# KiCad board sbc.kicad_pcb
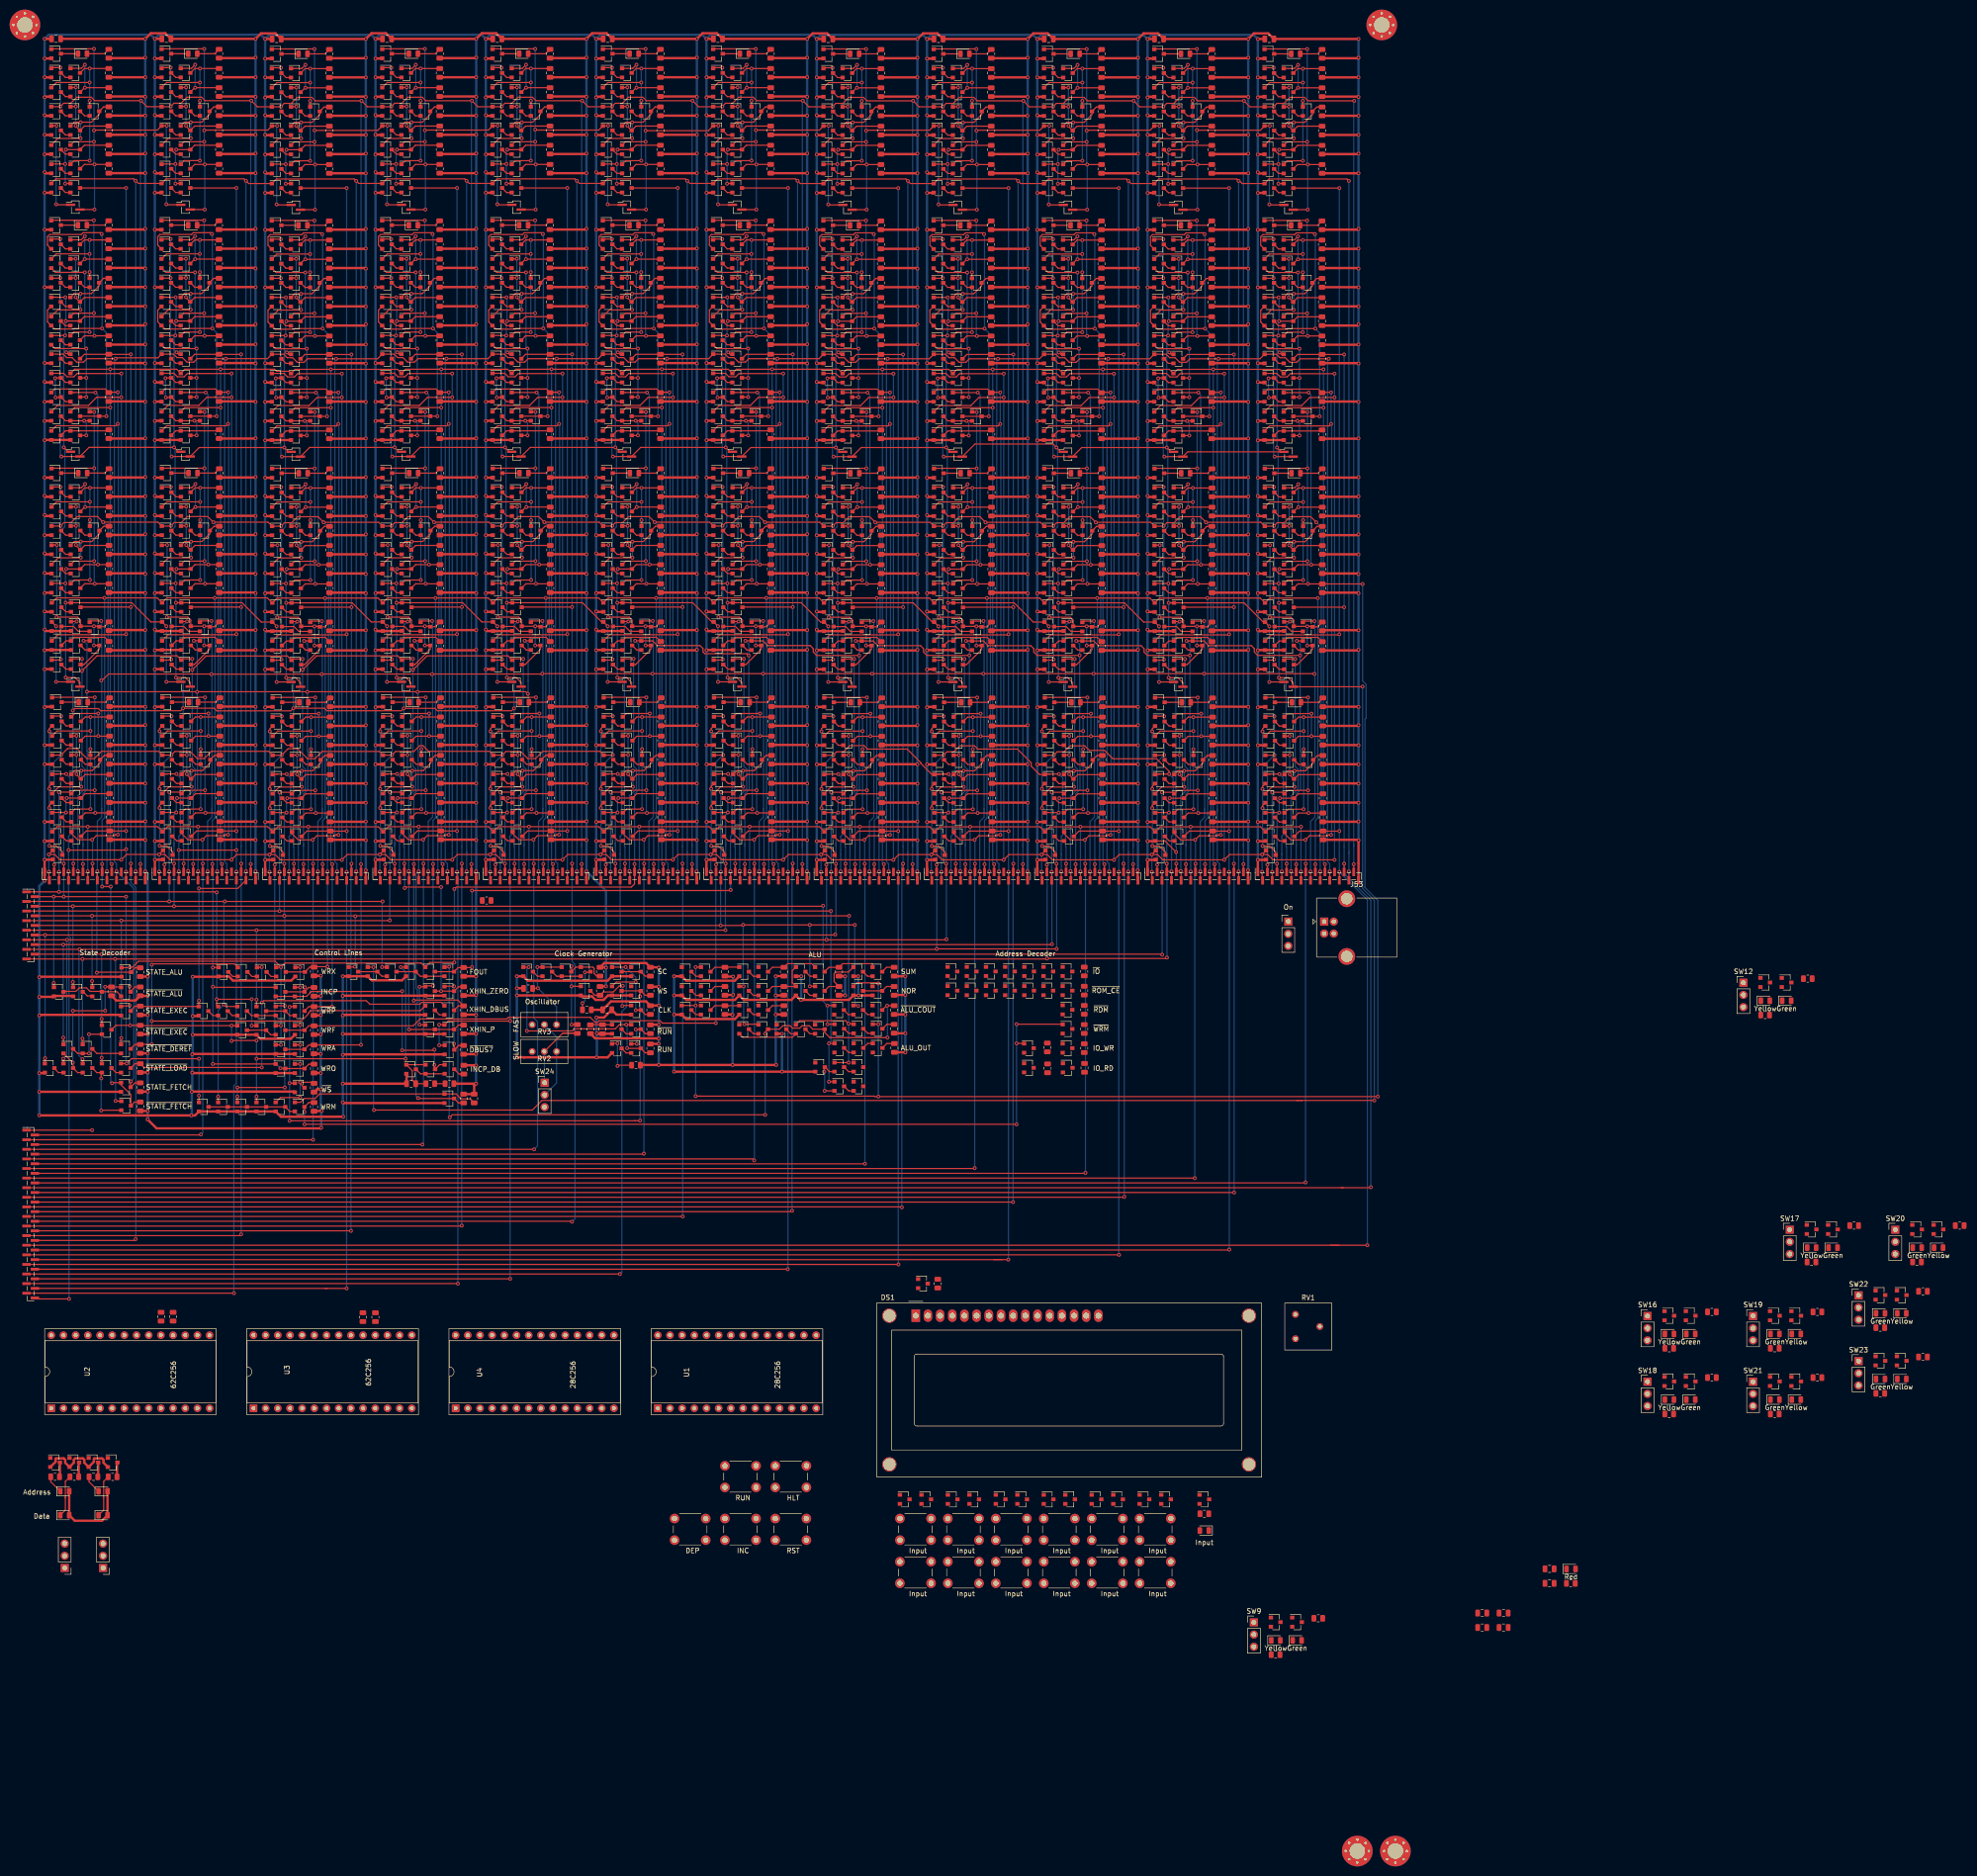
[diagram p0: board, top side]
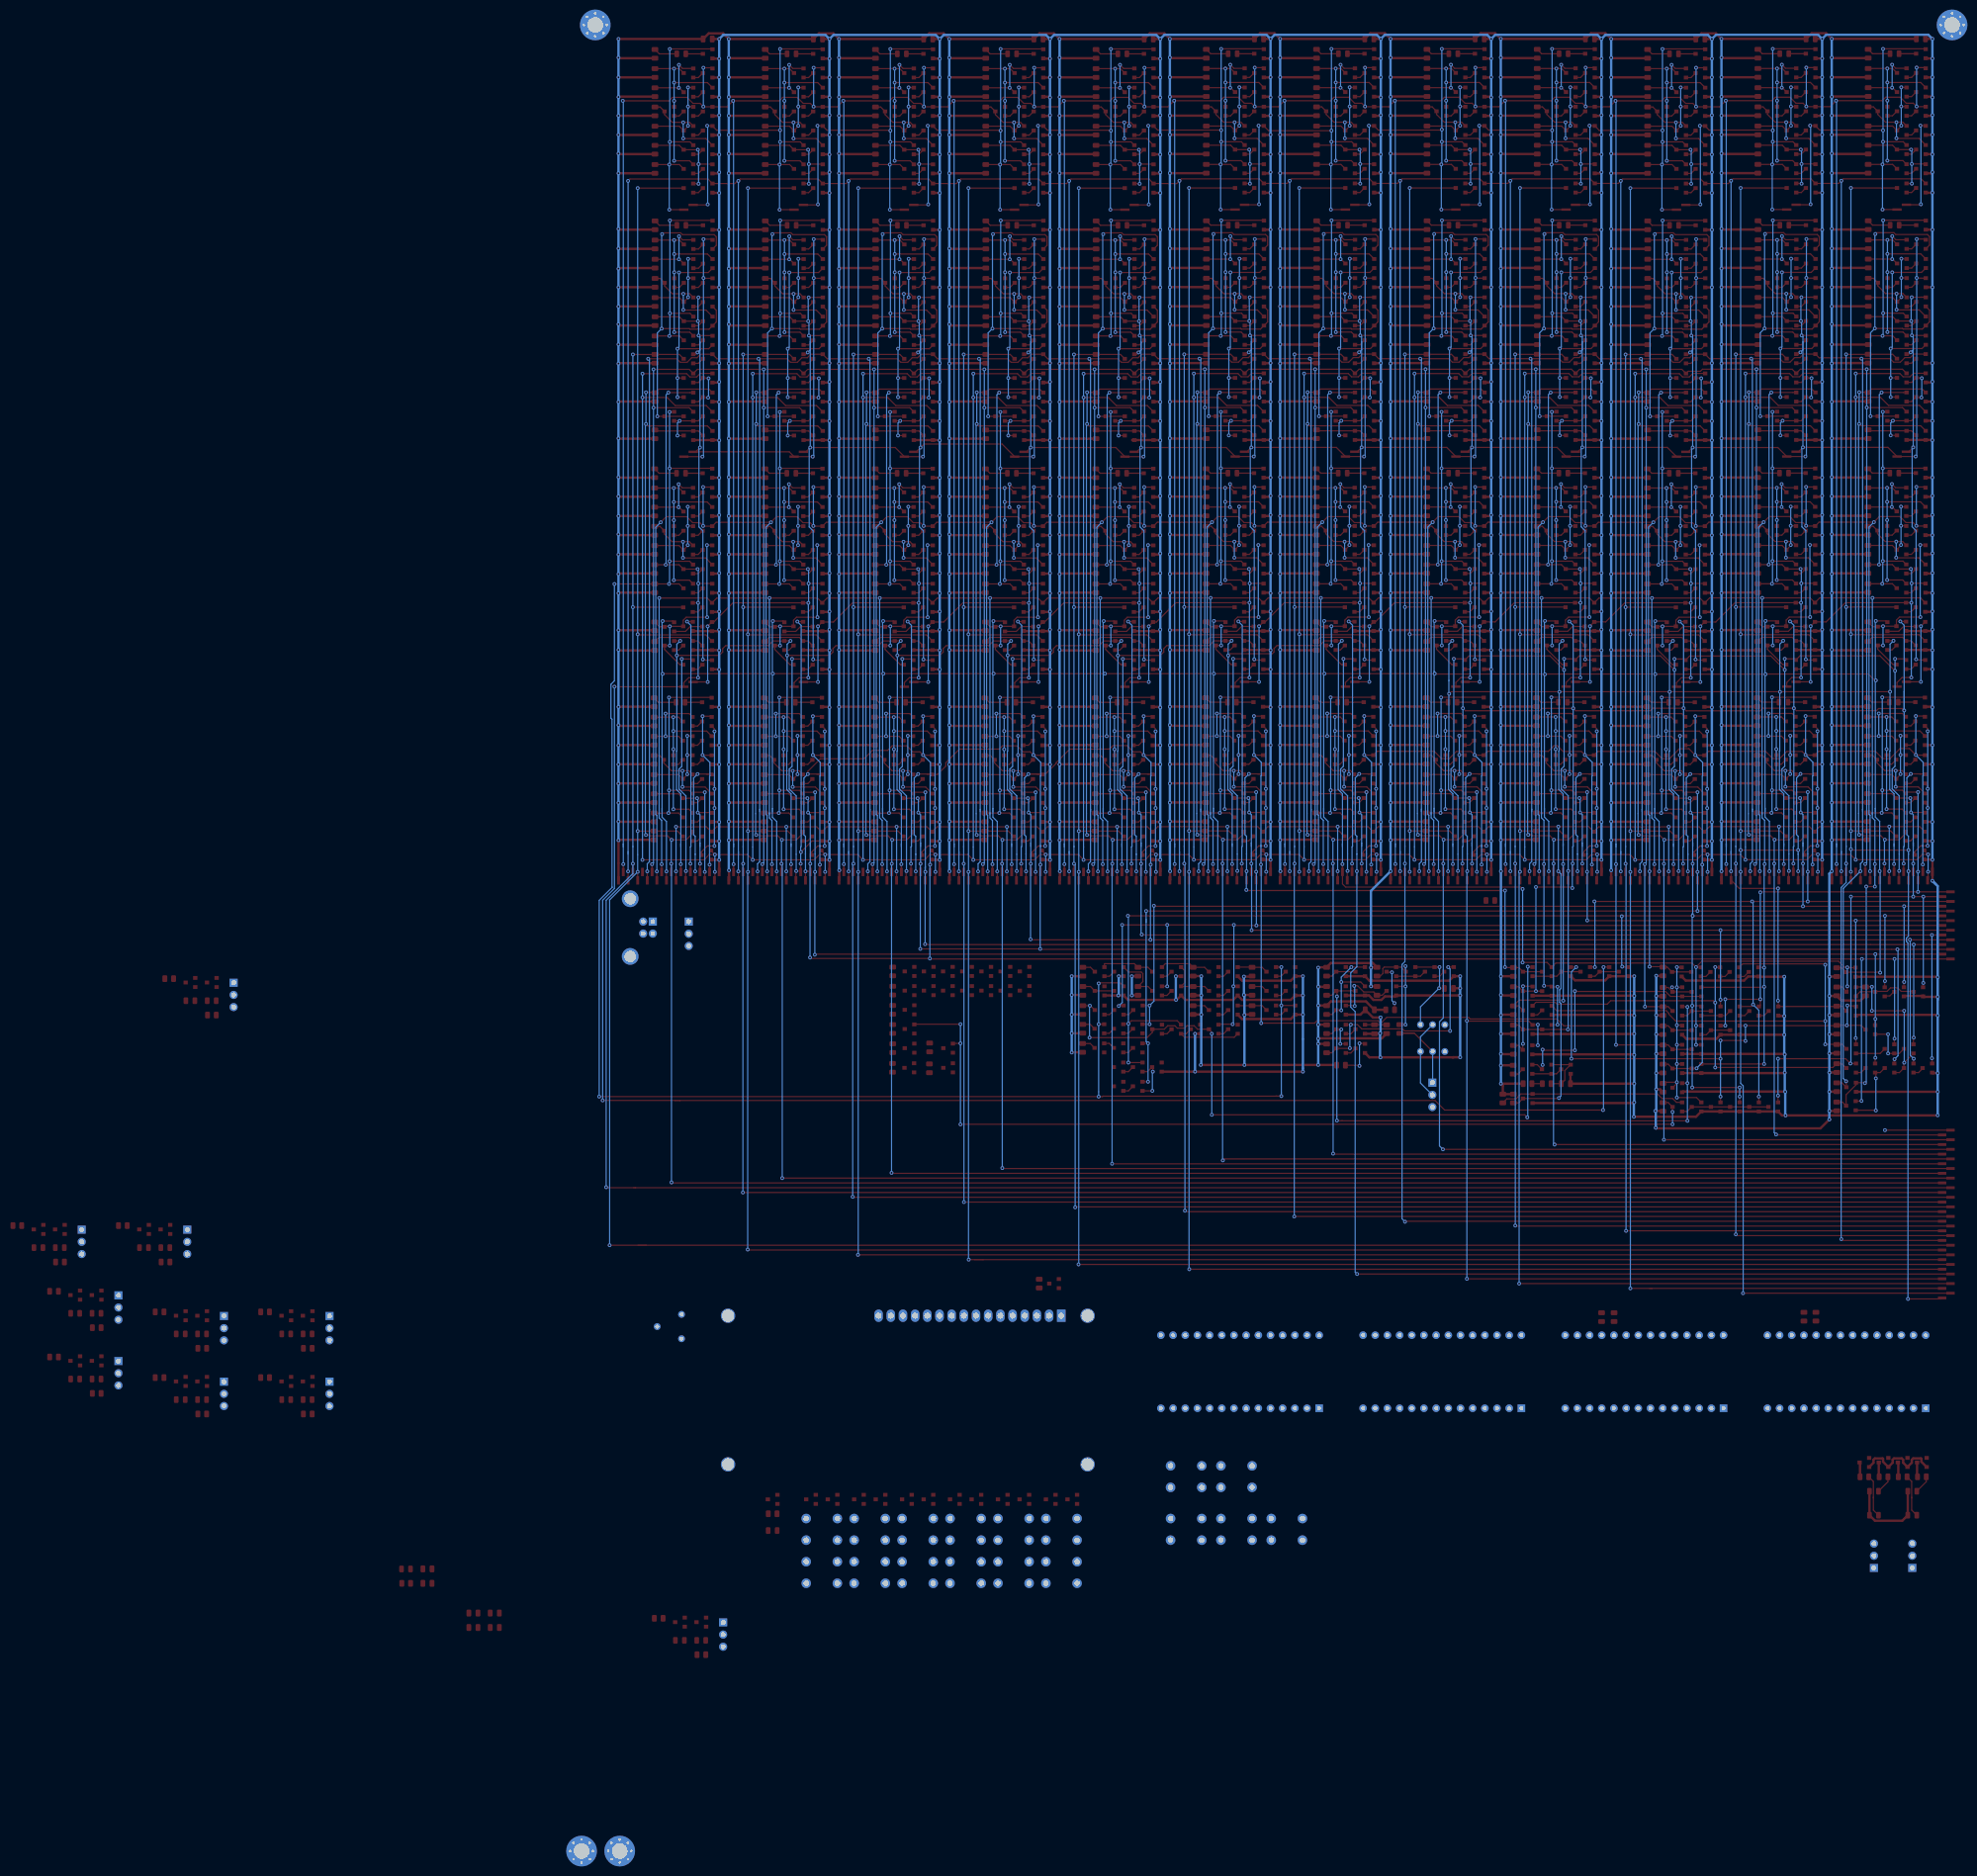
[diagram p1: board, bottom side, seen from below]

No outline. copper layers: Top, Bottom. Coordinates in mm from the lowest, leftmost part position.

## Placement (name value [footprint] x y rotation side)
C1  0.1u  [C_0805_2012Metric]  6.5 377.95 180 top
C2  0.1u  [C_0805_2012Metric]  29.5 377.95 180 top
C3  0.1u  [C_0805_2012Metric]  121.45 175.45 180 top
C4  0.1u  [C_0805_2012Metric]  104.95 179.9 0 top
C5  0.1u  [C_0805_2012Metric]  120.45 171.4 90 top
C6  0.1u  [C_0805_2012Metric]  80.55 160.05 0 top
C7  0.1u  [C_0805_2012Metric]  52.5 377.92 180 top
C8  0.1u  [C_0805_2012Metric]  75.53 377.95 180 top
C9  0.1u  [C_0805_2012Metric]  98.53 377.95 180 top
C10  0.1u  [C_0805_2012Metric]  121.55 377.95 180 top
C11  0.1u  [C_0805_2012Metric]  144.55 377.95 180 top
C12  0.1u  [C_0805_2012Metric]  167.55 377.92 180 top
C13  0.1u  [C_0805_2012Metric]  190.55 377.92 180 top
C14  0.1u  [C_0805_2012Metric]  213.55 377.92 180 top
C15  0.1u  [C_0805_2012Metric]  236.55 377.92 180 top
C16  0.1u  [C_0805_2012Metric]  259.55 377.92 180 top
C17  0.47u  [C_0805_2012Metric]  318 58.85 0 top
C18  0.47u  [C_0805_2012Metric]  318 55.84 0 top
C19  0.1u  [C_0805_2012Metric]  303.96 49.64 0 top
C20  0.1u  [C_0805_2012Metric]  303.96 46.63 0 top
C21  0.1u  [C_0805_2012Metric]  308.41 49.64 0 top
C22  0.1u  [C_0805_2012Metric]  308.41 46.63 0 top
D1  Red  [LED_0805_2012Metric]  12 374.85 0 top
D2  Red  [LED_0805_2012Metric]  12.05 287.39 0 top
D3  Red  [LED_0805_2012Metric]  11.98 339.1 0 top
D4  Red  [LED_0805_2012Metric]  12.16 239.61 0 top
D5  Red  [LED_0805_2012Metric]  35 374.85 0 top
D6  Red  [LED_0805_2012Metric]  35.05 287.39 0 top
D7  Red  [LED_0805_2012Metric]  34.98 339.1 0 top
D8  Red  [LED_0805_2012Metric]  35.16 239.61 0 top
D9  Red  [LED_0805_2012Metric]  58 374.82 0 top
D10  Red  [LED_0805_2012Metric]  58.05 287.36 0 top
D11  Red  [LED_0805_2012Metric]  57.98 339.07 0 top
D12  Red  [LED_0805_2012Metric]  58.16 239.58 0 top
D13  Red  [LED_0805_2012Metric]  81.03 374.85 0 top
D14  Red  [LED_0805_2012Metric]  81.08 287.38 0 top
D15  Red  [LED_0805_2012Metric]  81 339.09 0 top
D16  Red  [LED_0805_2012Metric]  81.19 239.61 0 top
D17  Red  [LED_0805_2012Metric]  104.03 374.85 0 top
D18  Red  [LED_0805_2012Metric]  104.07 287.38 0 top
D19  Red  [LED_0805_2012Metric]  104 339.09 0 top
D20  Red  [LED_0805_2012Metric]  104.19 239.61 0 top
D21  Red  [LED_0805_2012Metric]  127.05 374.85 0 top
D22  Red  [LED_0805_2012Metric]  127.1 287.38 0 top
D23  Red  [LED_0805_2012Metric]  127.03 339.09 0 top
D24  Red  [LED_0805_2012Metric]  127.21 239.61 0 top
D25  Red  [LED_0805_2012Metric]  150.05 374.85 0 top
D26  Red  [LED_0805_2012Metric]  150.1 287.38 0 top
D27  Red  [LED_0805_2012Metric]  150.03 339.09 0 top
D28  Red  [LED_0805_2012Metric]  150.21 239.61 0 top
D29  Red  [LED_0805_2012Metric]  173.05 374.82 0 top
D30  Red  [LED_0805_2012Metric]  173.1 287.36 0 top
D31  Red  [LED_0805_2012Metric]  173.03 339.07 0 top
D32  Red  [LED_0805_2012Metric]  173.21 239.58 0 top
D33  Red  [LED_0805_2012Metric]  196.05 374.82 0 top
D34  Red  [LED_0805_2012Metric]  196.1 287.36 0 top
D35  Red  [LED_0805_2012Metric]  196.03 339.07 0 top
D36  Red  [LED_0805_2012Metric]  196.21 239.58 0 top
D37  Red  [LED_0805_2012Metric]  219.05 374.82 0 top
D38  Red  [LED_0805_2012Metric]  219.1 287.36 0 top
D39  Red  [LED_0805_2012Metric]  219.03 339.07 0 top
D40  Red  [LED_0805_2012Metric]  219.21 239.58 0 top
D41  Red  [LED_0805_2012Metric]  242.05 374.82 0 top
D42  Red  [LED_0805_2012Metric]  242.1 287.36 0 top
D43  Red  [LED_0805_2012Metric]  242.03 339.07 0 top
D44  Red  [LED_0805_2012Metric]  242.21 239.58 0 top
D45  Red  [LED_0805_2012Metric]  265.05 374.82 0 top
D46  Red  [LED_0805_2012Metric]  265.1 287.36 0 top
D47  Red  [LED_0805_2012Metric]  265.03 339.07 0 top
D48  Red  [LED_0805_2012Metric]  265.21 239.58 0 top
D49  Yellow  [LED_0805_2012Metric]  8.3 75.05 0 top
D50  Green  [LED_0805_2012Metric]  8.3 70.05 0 top
D51  Yellow  [LED_0805_2012Metric]  16.29 75.05 0 top
D52  Green  [LED_0805_2012Metric]  16.29 70.05 0 top
D53  Yellow  [LED_0805_2012Metric]  260.9 43.95 0 top
D54  Green  [LED_0805_2012Metric]  265.35 43.95 0 top
D55  Yellow  [LED_0805_2012Metric]  363 177.35 0 top
D56  Green  [LED_0805_2012Metric]  367.45 177.35 0 top
D57  Yellow  [LED_0805_2012Metric]  343 107.85 0 top
D58  Green  [LED_0805_2012Metric]  347.45 107.85 0 top
D59  Yellow  [LED_0805_2012Metric]  372.67 125.85 0 top
D60  Green  [LED_0805_2012Metric]  377.12 125.85 0 top
D61  Yellow  [LED_0805_2012Metric]  343 94.15 0 top
D62  Green  [LED_0805_2012Metric]  347.45 94.15 0 top
D63  Yellow  [LED_0805_2012Metric]  369.46 107.85 0 top
D64  Green  [LED_0805_2012Metric]  365.01 107.85 0 top
D65  Yellow  [LED_0805_2012Metric]  399.13 125.85 0 top
D66  Green  [LED_0805_2012Metric]  394.68 125.85 0 top
D67  Yellow  [LED_0805_2012Metric]  369.46 94.15 0 top
D68  Green  [LED_0805_2012Metric]  365.01 94.15 0 top
D69  Yellow  [LED_0805_2012Metric]  391.47 112.15 0 top
D70  Green  [LED_0805_2012Metric]  387.02 112.15 0 top
D71  Yellow  [LED_0805_2012Metric]  391.47 98.45 0 top
D72  Green  [LED_0805_2012Metric]  387.02 98.45 0 top
D73  Red  [LED_0805_2012Metric]  322.47 58.84 0 top
D74  Red  [LED_0805_2012Metric]  246 66.85 180 top
DS1  -  [WC1602A]  185.8 111.65 0 top
H1  MountingHole_Pad  [MountingHole_3.2mm_M3_Pad_Via]  0 380.85 0 top
H2  MountingHole_Pad  [MountingHole_3.2mm_M3_Pad_Via]  277.9 0 0 top
H3  MountingHole_Pad  [MountingHole_3.2mm_M3_Pad_Via]  283 380.85 0 top
H4  MountingHole_Pad  [MountingHole_3.2mm_M3_Pad_Via]  285.85 0 0 top
J1  Conn_01x22  [PinHeader_1x22_P1.00mm_Vertical_SMD_Pin1Right]  14.6 203.35 90 top
J2  Conn_02x01  [PinSocket_1x02_P1.00mm_Vertical_SMD_Pin1Left]  10.5 342.85 0 top
J3  Conn_02x01  [PinSocket_1x02_P1.00mm_Vertical_SMD_Pin1Left]  10.5 243.35 0 top
J4  Conn_01x22  [PinHeader_1x22_P1.00mm_Vertical_SMD_Pin1Right]  37.6 203.35 90 top
J5  Conn_02x01  [PinSocket_1x02_P1.00mm_Vertical_SMD_Pin1Left]  10.5 291.35 0 top
J6  Conn_02x01  [PinSocket_1x02_P1.00mm_Vertical_SMD_Pin1Left]  33.5 342.85 0 top
J7  Conn_02x01  [PinSocket_1x02_P1.00mm_Vertical_SMD_Pin1Left]  33.5 243.35 0 top
J8  Conn_02x01  [PinSocket_1x02_P1.00mm_Vertical_SMD_Pin1Left]  33.5 291.35 0 top
J9  Conn_01x22  [PinHeader_1x22_P1.00mm_Vertical_SMD_Pin1Right]  60.6 203.32 90 top
J10  Conn_02x01  [PinSocket_1x02_P1.00mm_Vertical_SMD_Pin1Left]  56.5 342.82 0 top
J11  Conn_02x01  [PinSocket_1x02_P1.00mm_Vertical_SMD_Pin1Left]  56.5 243.32 0 top
J12  Conn_02x01  [PinSocket_1x02_P1.00mm_Vertical_SMD_Pin1Left]  56.5 291.32 0 top
J13  Conn_01x22  [PinHeader_1x22_P1.00mm_Vertical_SMD_Pin1Right]  83.62 203.35 90 top
J14  Conn_02x01  [PinSocket_1x02_P1.00mm_Vertical_SMD_Pin1Left]  79.53 342.85 0 top
J15  Conn_02x01  [PinSocket_1x02_P1.00mm_Vertical_SMD_Pin1Left]  79.53 243.35 0 top
J16  Conn_02x01  [PinSocket_1x02_P1.00mm_Vertical_SMD_Pin1Left]  79.53 291.35 0 top
J17  Conn_01x22  [PinHeader_1x22_P1.00mm_Vertical_SMD_Pin1Right]  106.62 203.35 90 top
J18  Conn_02x01  [PinSocket_1x02_P1.00mm_Vertical_SMD_Pin1Left]  102.53 342.85 0 top
J19  Conn_02x01  [PinSocket_1x02_P1.00mm_Vertical_SMD_Pin1Left]  102.53 243.35 0 top
J20  Conn_02x01  [PinSocket_1x02_P1.00mm_Vertical_SMD_Pin1Left]  102.53 291.35 0 top
J21  Conn_01x22  [PinHeader_1x22_P1.00mm_Vertical_SMD_Pin1Right]  129.65 203.35 90 top
J22  Conn_02x01  [PinSocket_1x02_P1.00mm_Vertical_SMD_Pin1Left]  125.55 342.85 0 top
J23  Conn_02x01  [PinSocket_1x02_P1.00mm_Vertical_SMD_Pin1Left]  125.55 243.35 0 top
J24  Conn_02x01  [PinSocket_1x02_P1.00mm_Vertical_SMD_Pin1Left]  125.55 291.35 0 top
J25  Conn_01x22  [PinHeader_1x22_P1.00mm_Vertical_SMD_Pin1Right]  152.65 203.35 90 top
J26  Conn_02x01  [PinSocket_1x02_P1.00mm_Vertical_SMD_Pin1Left]  148.55 342.85 0 top
J27  Conn_02x01  [PinSocket_1x02_P1.00mm_Vertical_SMD_Pin1Left]  148.55 243.35 0 top
J28  Conn_02x01  [PinSocket_1x02_P1.00mm_Vertical_SMD_Pin1Left]  148.55 291.35 0 top
J29  Conn_01x22  [PinHeader_1x22_P1.00mm_Vertical_SMD_Pin1Right]  175.65 203.32 90 top
J30  Conn_02x01  [PinSocket_1x02_P1.00mm_Vertical_SMD_Pin1Left]  171.55 342.82 0 top
J31  Conn_02x01  [PinSocket_1x02_P1.00mm_Vertical_SMD_Pin1Left]  171.55 243.32 0 top
J32  Conn_02x01  [PinSocket_1x02_P1.00mm_Vertical_SMD_Pin1Left]  171.55 291.32 0 top
J33  Conn_01x22  [PinHeader_1x22_P1.00mm_Vertical_SMD_Pin1Right]  198.65 203.32 90 top
J34  Conn_02x01  [PinSocket_1x02_P1.00mm_Vertical_SMD_Pin1Left]  194.55 342.82 0 top
J35  Conn_02x01  [PinSocket_1x02_P1.00mm_Vertical_SMD_Pin1Left]  194.55 243.32 0 top
J36  Conn_02x01  [PinSocket_1x02_P1.00mm_Vertical_SMD_Pin1Left]  194.55 291.32 0 top
J37  Conn_01x22  [PinHeader_1x22_P1.00mm_Vertical_SMD_Pin1Right]  221.65 203.32 90 top
J38  Conn_02x01  [PinSocket_1x02_P1.00mm_Vertical_SMD_Pin1Left]  217.55 342.82 0 top
J39  Conn_02x01  [PinSocket_1x02_P1.00mm_Vertical_SMD_Pin1Left]  217.55 243.32 0 top
J40  Conn_02x01  [PinSocket_1x02_P1.00mm_Vertical_SMD_Pin1Left]  217.55 291.32 0 top
J41  Conn_01x22  [PinHeader_1x22_P1.00mm_Vertical_SMD_Pin1Right]  244.65 203.32 90 top
J42  Conn_02x01  [PinSocket_1x02_P1.00mm_Vertical_SMD_Pin1Left]  240.55 342.82 0 top
J43  Conn_02x01  [PinSocket_1x02_P1.00mm_Vertical_SMD_Pin1Left]  240.55 243.32 0 top
J44  Conn_02x01  [PinSocket_1x02_P1.00mm_Vertical_SMD_Pin1Left]  240.55 291.32 0 top
J45  Conn_01x22  [PinHeader_1x22_P1.00mm_Vertical_SMD_Pin1Right]  267.65 203.32 90 top
J46  Conn_02x01  [PinSocket_1x02_P1.00mm_Vertical_SMD_Pin1Left]  263.55 342.82 0 top
J47  Conn_02x01  [PinSocket_1x02_P1.00mm_Vertical_SMD_Pin1Left]  263.55 243.32 0 top
J48  Conn_02x01  [PinSocket_1x02_P1.00mm_Vertical_SMD_Pin1Left]  263.55 291.32 0 top
J49  Conn_01x15  [PinHeader_1x15_P1.00mm_Vertical_SMD_Pin1Left]  1.2 193.05 0 top
J50  Conn_01x36  [PinHeader_1x36_P1.00mm_Vertical_SMD_Pin1Left]  1.2 132.85 0 top
J53  USB_B  [USB_B_OST_USB-B1HSxx_Horizontal]  271 193.85 0 top
Q1  2N7002  [SOT-23]  6.8 207.75 0 top
Q2  2N7002  [SOT-23]  10.7 211.65 0 top
Q3  2N7002  [SOT-23]  6.7 211.65 0 top
Q4  2N7002  [SOT-23]  6.5 374.85 0 top
Q5  2N7002  [SOT-23]  10.5 346.85 0 top
Q6  2N7002  [SOT-23]  6.5 346.85 0 top
Q7  2N7002  [SOT-23]  10.5 350.85 0 top
Q8  2N7002  [SOT-23]  10.5 366.85 0 top
Q9  2N7002  [SOT-23]  6.5 350.85 0 top
Q10  2N7002  [SOT-23]  6.5 366.85 0 top
Q11  2N7002  [SOT-23]  10.5 354.85 0 top
Q12  2N7002  [SOT-23]  10.5 370.85 0 top
Q13  2N7002  [SOT-23]  6.5 354.85 0 top
Q14  2N7002  [SOT-23]  6.5 370.85 0 top
Q15  2N7002  [SOT-23]  14.5 362.85 0 top
Q16  2N7002  [SOT-23]  10.5 362.85 0 top
Q17  2N7002  [SOT-23]  6.5 362.85 0 top
Q18  2N7002  [SOT-23]  10.5 358.85 0 top
Q19  2N7002  [SOT-23]  6.5 358.85 0 top
Q20  2N7002  [SOT-23]  6.55 287.39 0 top
Q21  2N7002  [SOT-23]  14.5 251.45 0 top
Q22  2N7002  [SOT-23]  10.6 259.4 0 top
Q23  2N7002  [SOT-23]  10.6 247.45 0 top
Q24  2N7002  [SOT-23]  14.5 255.35 0 top
Q25  2N7002  [SOT-23]  10.6 255.45 0 top
Q26  2N7002  [SOT-23]  10.6 251.45 0 top
Q27  2N7002  [SOT-23]  6.6 259.4 0 top
Q28  2N7002  [SOT-23]  6.6 247.45 0 top
Q29  2N7002  [SOT-23]  6.6 255.4 0 top
Q30  2N7002  [SOT-23]  6.6 251.45 0 top
Q31  2N7002  [SOT-23]  10.55 263.39 0 top
Q32  2N7002  [SOT-23]  10.55 279.39 0 top
Q33  2N7002  [SOT-23]  6.55 263.39 0 top
Q34  2N7002  [SOT-23]  6.55 279.39 0 top
Q35  2N7002  [SOT-23]  10.55 267.39 0 top
Q36  2N7002  [SOT-23]  10.55 283.39 0 top
Q37  2N7002  [SOT-23]  6.55 267.39 0 top
Q38  2N7002  [SOT-23]  6.55 283.39 0 top
Q39  2N7002  [SOT-23]  14.55 275.39 0 top
Q40  2N7002  [SOT-23]  10.55 275.39 0 top
Q41  2N7002  [SOT-23]  6.55 275.39 0 top
Q42  2N7002  [SOT-23]  10.55 271.39 0 top
Q43  2N7002  [SOT-23]  6.55 271.39 0 top
Q44  2N7002  [SOT-23]  6.48 339.1 0 top
Q45  2N7002  [SOT-23]  10.5 311.25 0 top
Q46  2N7002  [SOT-23]  6.5 311.25 0 top
Q47  2N7002  [SOT-23]  10.5 307.25 0 top
Q48  2N7002  [SOT-23]  10.5 303.25 0 top
Q49  2N7002  [SOT-23]  10.5 299.25 0 top
Q50  2N7002  [SOT-23]  14.5 299.25 0 top
Q51  2N7002  [SOT-23]  6.5 307.25 0 top
Q52  2N7002  [SOT-23]  6.5 303.25 0 top
Q53  2N7002  [SOT-23]  6.5 299.25 0 top
Q54  2N7002  [SOT-23]  10.5 295.25 0 top
Q55  2N7002  [SOT-23]  6.5 295.25 0 top
Q56  2N7002  [SOT-23]  10.48 315.1 0 top
Q57  2N7002  [SOT-23]  10.48 331.1 0 top
Q58  2N7002  [SOT-23]  6.48 315.1 0 top
Q59  2N7002  [SOT-23]  6.48 331.1 0 top
Q60  2N7002  [SOT-23]  10.48 319.1 0 top
Q61  2N7002  [SOT-23]  10.48 335.1 0 top
Q62  2N7002  [SOT-23]  6.48 319.1 0 top
Q63  2N7002  [SOT-23]  6.48 335.1 0 top
Q64  2N7002  [SOT-23]  14.48 327.1 0 top
Q65  2N7002  [SOT-23]  10.48 327.1 0 top
Q66  2N7002  [SOT-23]  6.48 327.1 0 top
Q67  2N7002  [SOT-23]  10.48 323.1 0 top
Q68  2N7002  [SOT-23]  6.48 323.1 0 top
Q69  2N7002  [SOT-23]  6.66 239.61 0 top
Q70  2N7002  [SOT-23]  29.8 207.75 0 top
Q71  2N7002  [SOT-23]  52.8 207.72 0 top
Q72  2N7002  [SOT-23]  10.66 215.61 0 top
Q73  2N7002  [SOT-23]  10.66 231.61 0 top
Q74  2N7002  [SOT-23]  6.66 215.61 0 top
Q75  2N7002  [SOT-23]  6.66 231.61 0 top
Q76  2N7002  [SOT-23]  10.66 219.61 0 top
Q77  2N7002  [SOT-23]  10.66 235.61 0 top
Q78  2N7002  [SOT-23]  6.66 219.61 0 top
Q79  2N7002  [SOT-23]  6.66 235.61 0 top
Q80  2N7002  [SOT-23]  14.66 227.61 0 top
Q81  2N7002  [SOT-23]  10.66 227.61 0 top
Q82  2N7002  [SOT-23]  6.66 227.61 0 top
Q83  2N7002  [SOT-23]  10.66 223.61 0 top
Q84  2N7002  [SOT-23]  6.66 223.61 0 top
Q85  2N7002  [SOT-23]  33.7 211.65 0 top
Q86  2N7002  [SOT-23]  29.7 211.65 0 top
Q87  2N7002  [SOT-23]  33.5 346.85 0 top
Q88  2N7002  [SOT-23]  29.5 346.85 0 top
Q89  2N7002  [SOT-23]  33.5 350.85 0 top
Q90  2N7002  [SOT-23]  33.5 366.85 0 top
Q91  2N7002  [SOT-23]  29.5 350.85 0 top
Q92  2N7002  [SOT-23]  29.5 366.85 0 top
Q93  2N7002  [SOT-23]  29.5 374.85 0 top
Q94  2N7002  [SOT-23]  33.5 354.85 0 top
Q95  2N7002  [SOT-23]  33.5 370.85 0 top
Q96  2N7002  [SOT-23]  29.5 354.85 0 top
Q97  2N7002  [SOT-23]  29.5 370.85 0 top
Q98  2N7002  [SOT-23]  37.5 362.85 0 top
Q99  2N7002  [SOT-23]  33.5 362.85 0 top
Q100  2N7002  [SOT-23]  29.5 362.85 0 top
Q101  2N7002  [SOT-23]  33.5 358.85 0 top
Q102  2N7002  [SOT-23]  29.5 358.85 0 top
Q103  2N7002  [SOT-23]  37.5 251.45 0 top
Q104  2N7002  [SOT-23]  33.6 259.4 0 top
Q105  2N7002  [SOT-23]  33.6 247.45 0 top
Q106  2N7002  [SOT-23]  37.5 255.35 0 top
Q107  2N7002  [SOT-23]  33.6 255.45 0 top
Q108  2N7002  [SOT-23]  33.6 251.45 0 top
Q109  2N7002  [SOT-23]  29.6 259.4 0 top
Q110  2N7002  [SOT-23]  29.6 247.45 0 top
Q111  2N7002  [SOT-23]  29.6 255.4 0 top
Q112  2N7002  [SOT-23]  29.6 251.45 0 top
Q113  2N7002  [SOT-23]  33.55 263.39 0 top
Q114  2N7002  [SOT-23]  33.55 279.39 0 top
Q115  2N7002  [SOT-23]  29.55 263.39 0 top
Q116  2N7002  [SOT-23]  29.55 279.39 0 top
Q117  2N7002  [SOT-23]  29.55 287.39 0 top
Q118  2N7002  [SOT-23]  33.55 267.39 0 top
Q119  2N7002  [SOT-23]  33.55 283.39 0 top
Q120  2N7002  [SOT-23]  29.55 267.39 0 top
Q121  2N7002  [SOT-23]  29.55 283.39 0 top
Q122  2N7002  [SOT-23]  37.55 275.39 0 top
Q123  2N7002  [SOT-23]  33.55 275.39 0 top
Q124  2N7002  [SOT-23]  29.55 275.39 0 top
Q125  2N7002  [SOT-23]  33.55 271.39 0 top
Q126  2N7002  [SOT-23]  29.55 271.39 0 top
Q127  2N7002  [SOT-23]  33.5 311.25 0 top
Q128  2N7002  [SOT-23]  29.5 311.25 0 top
Q129  2N7002  [SOT-23]  33.5 307.25 0 top
Q130  2N7002  [SOT-23]  33.5 303.25 0 top
Q131  2N7002  [SOT-23]  33.5 299.25 0 top
Q132  2N7002  [SOT-23]  37.5 299.25 0 top
Q133  2N7002  [SOT-23]  29.5 307.25 0 top
Q134  2N7002  [SOT-23]  29.5 303.25 0 top
Q135  2N7002  [SOT-23]  29.5 299.25 0 top
Q136  2N7002  [SOT-23]  33.5 295.25 0 top
Q137  2N7002  [SOT-23]  29.5 295.25 0 top
Q138  2N7002  [SOT-23]  33.48 315.1 0 top
Q139  2N7002  [SOT-23]  33.48 331.1 0 top
Q140  2N7002  [SOT-23]  29.48 315.1 0 top
Q141  2N7002  [SOT-23]  29.48 331.1 0 top
Q142  2N7002  [SOT-23]  29.48 339.1 0 top
Q143  2N7002  [SOT-23]  33.48 319.1 0 top
Q144  2N7002  [SOT-23]  33.48 335.1 0 top
Q145  2N7002  [SOT-23]  29.48 319.1 0 top
Q146  2N7002  [SOT-23]  29.48 335.1 0 top
Q147  2N7002  [SOT-23]  37.48 327.1 0 top
Q148  2N7002  [SOT-23]  33.48 327.1 0 top
Q149  2N7002  [SOT-23]  29.48 327.1 0 top
Q150  2N7002  [SOT-23]  33.48 323.1 0 top
Q151  2N7002  [SOT-23]  29.48 323.1 0 top
Q152  2N7002  [SOT-23]  75.83 207.75 0 top
Q153  2N7002  [SOT-23]  98.82 207.75 0 top
Q154  2N7002  [SOT-23]  33.66 215.61 0 top
Q155  2N7002  [SOT-23]  33.66 231.61 0 top
Q156  2N7002  [SOT-23]  29.66 215.61 0 top
Q157  2N7002  [SOT-23]  29.66 231.61 0 top
Q158  2N7002  [SOT-23]  29.66 239.61 0 top
Q159  2N7002  [SOT-23]  33.66 219.61 0 top
Q160  2N7002  [SOT-23]  33.66 235.61 0 top
Q161  2N7002  [SOT-23]  29.66 219.61 0 top
Q162  2N7002  [SOT-23]  29.66 235.61 0 top
Q163  2N7002  [SOT-23]  37.66 227.61 0 top
Q164  2N7002  [SOT-23]  33.66 227.61 0 top
Q165  2N7002  [SOT-23]  29.66 227.61 0 top
Q166  2N7002  [SOT-23]  33.66 223.61 0 top
Q167  2N7002  [SOT-23]  29.66 223.61 0 top
Q168  2N7002  [SOT-23]  21.05 163.3 0 top
Q169  2N7002  [SOT-23]  21.05 167.3 0 top
Q170  2N7002  [SOT-23]  21.1 155.45 0 top
Q171  2N7002  [SOT-23]  17.05 163.3 0 top
Q172  2N7002  [SOT-23]  13.05 167.3 0 top
Q173  2N7002  [SOT-23]  17.05 171.3 0 top
Q174  2N7002  [SOT-23]  9.05 167.3 0 top
Q175  2N7002  [SOT-23]  13.05 163.3 0 top
Q176  2N7002  [SOT-23]  21.05 179.2 0 top
Q177  2N7002  [SOT-23]  21.15 183.3 0 top
Q178  2N7002  [SOT-23]  9.05 163.3 0 top
Q179  2N7002  [SOT-23]  15.05 179.2 0 top
Q180  2N7002  [SOT-23]  7.05 179.2 0 top
Q181  2N7002  [SOT-23]  5.15 163.3 0 top
Q182  2N7002  [SOT-23]  11.05 179.2 0 top
Q183  2N7002  [SOT-23]  21.05 159.3 0 top
Q184  2N7002  [SOT-23]  21.05 175.2 0 top
Q185  2N7002  [SOT-23]  53.3 163.2 0 top
Q186  2N7002  [SOT-23]  57.3 163.2 0 top
Q187  2N7002  [SOT-23]  84.5 179.35 0 top
Q188  2N7002  [SOT-23]  88.5 179.35 0 top
Q189  2N7002  [SOT-23]  88.5 175.35 0 top
Q190  2N7002  [SOT-23]  84.5 171.35 0 top
Q191  2N7002  [SOT-23]  88.5 171.35 0 top
Q192  2N7002  [SOT-23]  84.5 175.35 0 top
Q193  2N7002  [SOT-23]  53.3 167.2 0 top
Q194  2N7002  [SOT-23]  57.3 167.2 0 top
Q195  2N7002  [SOT-23]  53.3 179.2 0 top